# KiCad board SimulTypeUltraFullMag.kicad_pcb (continued)
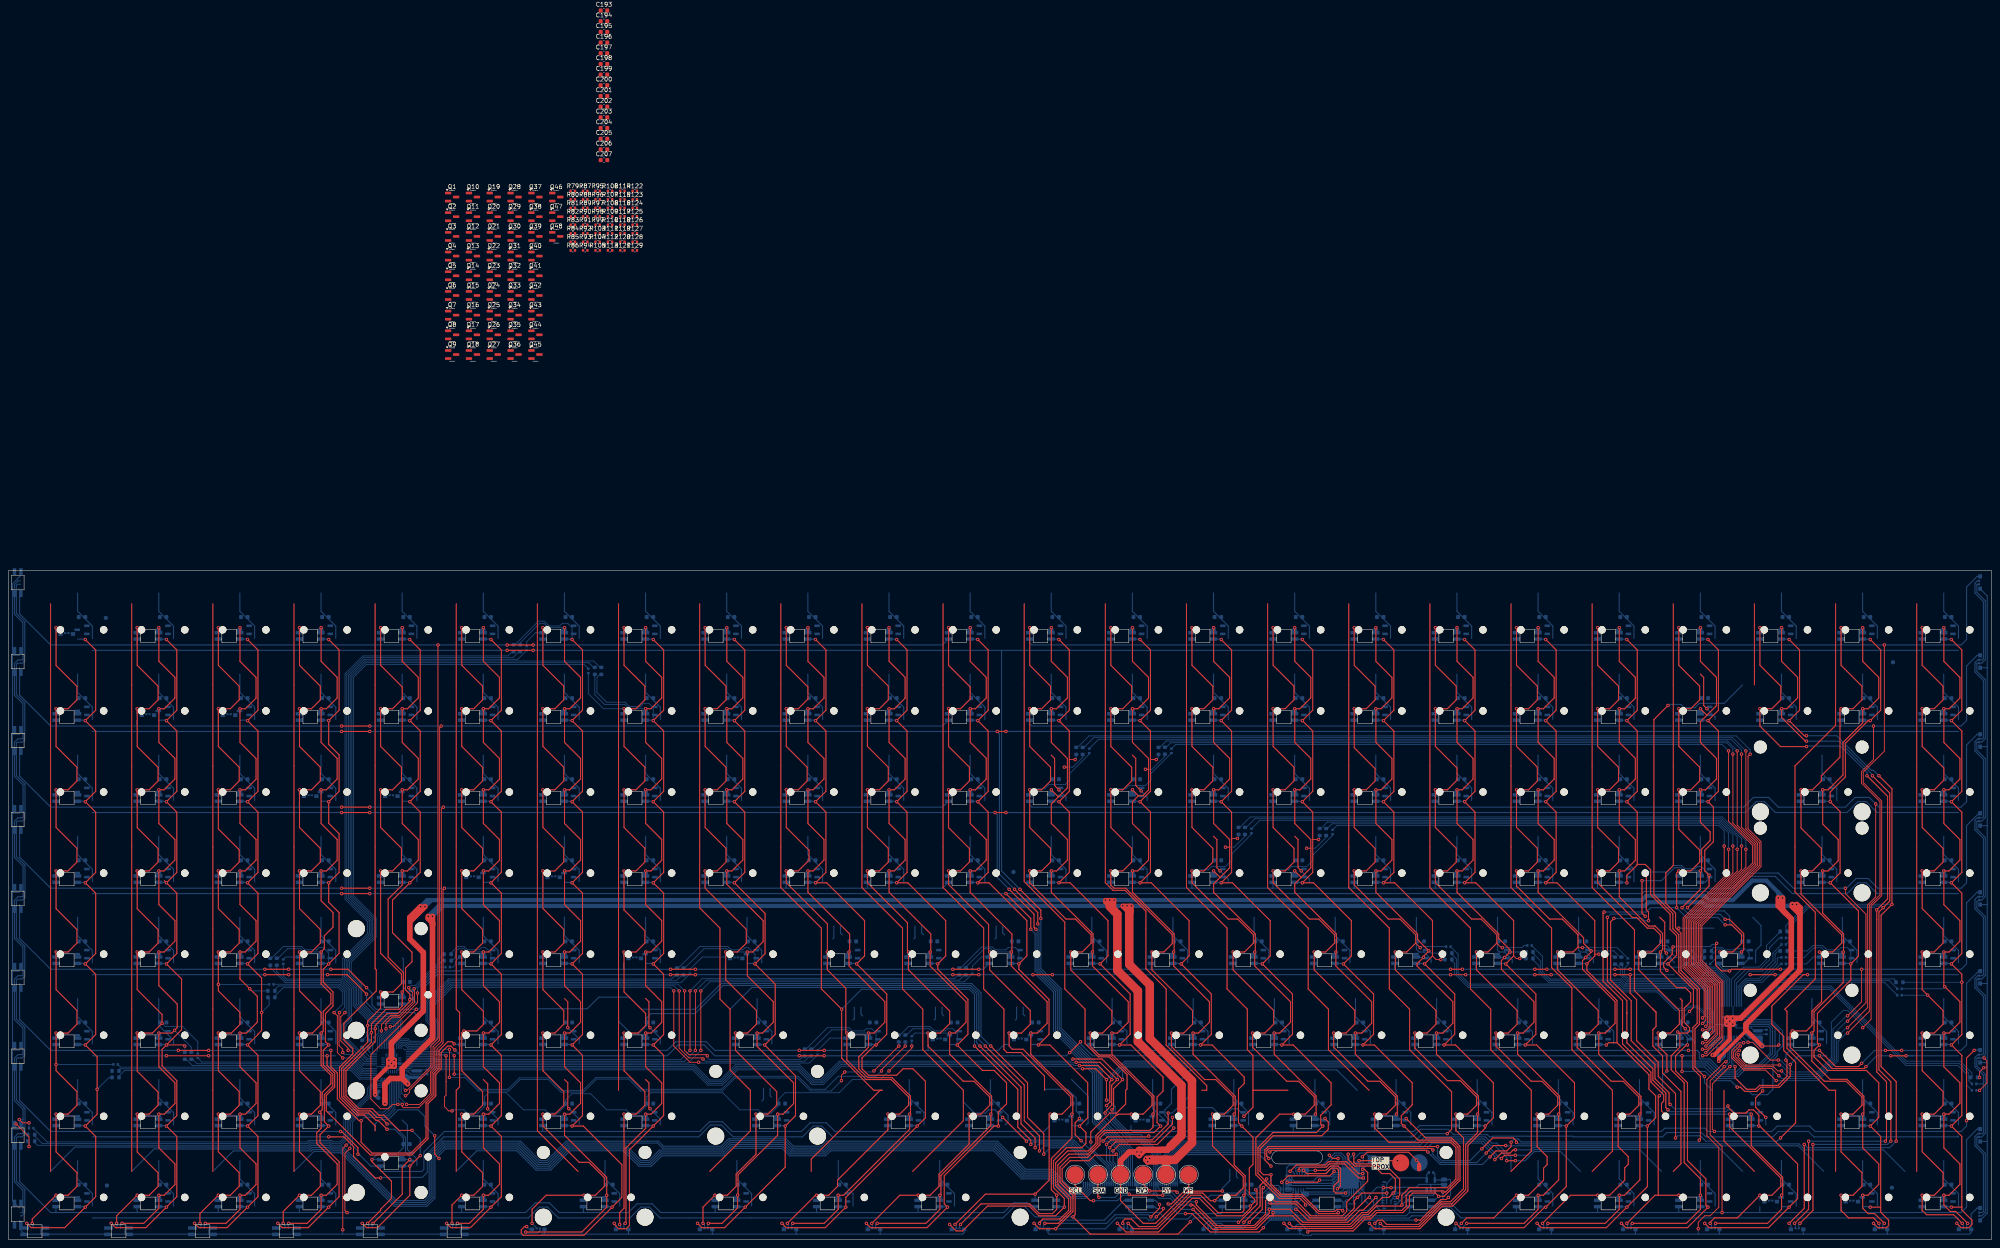
[diagram p0: board, top side]
## Routing (per net, layer and track width the routed paths; a pad name or vN(x,y) marks a point on that pad's centre or on a via; arc(x,y) is an arc through that point) (continued)
SW3_L: length 326
  Top w0.2: v1(93.46,31.73) 96.51,31.73 99.05,34.27 99.05,39.35 100.09,40.4 100.09,44.97 101.63,46.5 101.63,101.11 v1(102.1,101.58)
  Top w0.25: v1(78.22,101.58) v1(84.82,101.58)
  Bottom w0.2: v1(93.46,31.73) 91.9,33.29 91.9,37.93
  Bottom w0.25: v1(84.82,101.58) 87.36,101.58 ; 87.36,101.58 v1(102.1,101.58) 106.41,101.58 ; 87.36,101.58 87.33,101.61 87.33,102.96 ; 30.18,102.96 30.18,101.61 30.21,101.58 ; 125.43,102.96 125.43,101.61 125.46,101.58 ; 49.26,101.58 49.23,101.61 49.23,102.96 ; 49.26,101.58 68.31,101.58 ; 49.26,101.58 30.21,101.58 ; 68.31,101.58 68.28,101.61 68.28,102.96 ; 68.31,101.58 v1(78.22,101.58) ; 125.46,101.58 144.51,101.58 ; 125.46,101.58 106.41,101.58 ; 144.51,101.58 163.56,101.58 ; 144.51,101.58 144.48,101.61 LED56.4 ; LED60.4 219.3,101.58 201.66,101.58 ; 30.21,101.58 11.16,101.58 ; 163.56,101.58 182.61,101.58 ; 163.56,101.58 163.53,101.61 LED57.4 ; 182.61,101.58 182.58,101.61 LED58.4 ; 182.61,101.58 201.66,101.58 ; 201.66,101.58 201.63,101.61 LED59.4 ; 11.16,101.58 9.89,101.58 2.6,108.87 2.6,115.78 ; 11.16,101.58 11.13,101.61 11.13,102.96 ; 106.41,101.58 106.38,101.61 106.38,102.96
SW3_R: length 355.1
  Top w0.2: v1(406.64,45.45) 406.41,45.45 405.03,44.07 405.03,42.8 407.64,40.19 413.93,40.19 v1(415.66,38.46) ; v1(431.79,49.76) 436.51,54.48 436.51,78.61 438.39,80.5 v1(438.39,102.34)
  Bottom w0.2: 406.1,47.84 406.1,45.99 v1(406.64,45.45) ; v1(415.66,38.46) 416.29,37.83 424.85,37.83 429.18,42.16 429.18,47.41 431.53,49.76 v1(431.79,49.76)
  Bottom w0.25: 449.31,101.58 458.46,101.58 459.73,102.85 459.73,116.19 462.23,118.69 462.92,118.69 ; 449.31,101.58 449.28,101.61 LED71.4 ; 449.31,101.58 439.15,101.58 v1(438.39,102.34) 436.87,103.87 433.57,103.87 431.28,101.58 420.61,101.58 ; LED70.4 420.71,101.68 420.61,101.58 ; 392.16,101.58 407.4,101.58 409.69,103.87 413.25,103.87 415.53,101.58 420.61,101.58 ; 392.16,101.58 392.13,101.61 392.13,102.96 ; 392.16,101.58 373.11,101.58 ; 277.86,101.58 296.91,101.58 ; 277.86,101.58 258.81,101.58 ; 277.86,101.58 277.83,101.61 277.83,102.96 ; 296.91,101.58 315.96,101.58 ; 296.91,101.58 296.88,101.61 296.88,102.96 ; 239.73,102.96 239.73,102.12 240.27,101.58 258.81,101.58 ; LED67.4 354.03,101.61 354.06,101.58 ; 258.81,101.58 258.78,101.61 258.78,102.96 ; LED68.4 373.08,101.61 373.11,101.58 ; 315.96,101.58 315.93,101.61 315.93,102.96 ; 315.96,101.58 335.01,101.58 ; LED66.4 334.98,101.61 335.01,101.58 ; 354.06,101.58 373.11,101.58 ; 354.06,101.58 335.01,101.58
SW4_L: length 309.5
  Top w0.2: v1(92.44,31.73) 92.44,31.22 92.7,30.97 96.31,30.97 99.45,34.11 99.45,39.19 100.57,40.31 100.57,44.69 102.03,46.14 102.03,82.21 v1(102.35,82.53)
  Top w0.25: v1(78.22,82.53) v1(84.82,82.53)
  Bottom w0.2: v1(92.44,31.73) 91.5,32.67 91.5,37.93
  Bottom w0.25: 125.43,83.91 125.43,82.56 125.46,82.53 ; LED79.4 144.48,82.56 144.51,82.53 ; LED82.4 201.63,82.56 201.66,82.53 ; LED83.4 219.3,82.53 201.66,82.53 ; 49.26,82.53 49.23,82.56 49.23,83.91 ; 49.26,82.53 30.21,82.53 ; 49.26,82.53 68.31,82.53 ; 87.33,83.91 87.33,82.56 87.36,82.53 ; 106.41,82.53 v1(102.35,82.53) 87.36,82.53 ; 106.41,82.53 125.46,82.53 ; 106.41,82.53 106.38,82.56 106.38,83.91 ; 125.46,82.53 144.51,82.53 ; 182.61,82.53 182.58,82.56 LED81.4 ; 182.61,82.53 201.66,82.53 ; 182.61,82.53 163.56,82.53 ; 30.21,82.53 11.16,82.53 ; 30.21,82.53 30.18,82.56 30.18,83.91 ; 68.28,83.91 68.28,82.56 68.31,82.53 ; v1(84.82,82.53) 87.36,82.53 ; 144.51,82.53 163.56,82.53 ; 163.56,82.53 163.53,82.56 LED80.4 ; 11.16,82.53 9.89,82.53 2.6,89.82 2.6,97.23 ; 11.16,82.53 11.13,82.56 11.13,83.91 ; 68.31,82.53 v1(78.22,82.53)
SW4_R: length 336.2
  Top w0.2: v1(431.79,51.29) 436.11,55.61 436.11,76.43 431.28,81.26 v1(431.28,82.53) ; v1(416.29,39.6) 415.4,39.6 414.42,40.59 407.8,40.59 405.43,42.96 405.43,43.7 406.16,44.43 v1(406.39,44.43)
  Bottom w0.2: 405.7,47.84 405.7,45.12 v1(406.39,44.43) ; v1(416.29,39.6) 417.56,38.33 424.79,38.33 428.78,42.32 428.78,48.53 431.53,51.29 v1(431.79,51.29)
  Bottom w0.25: 258.81,82.53 258.78,82.56 258.78,83.91 ; 258.81,82.53 240.27,82.53 239.73,83.07 239.73,83.91 ; 258.81,82.53 277.86,82.53 ; 277.83,83.91 277.83,82.56 277.86,82.53 ; 392.13,83.91 392.13,82.56 392.16,82.53 ; 373.11,82.53 392.16,82.53 ; 373.11,82.53 354.06,82.53 ; 373.11,82.53 373.08,82.56 LED91.4 ; 392.16,82.53 404.86,82.53 408.42,86.09 415.53,86.09 419.09,82.53 420.61,82.53 ; 420.61,82.53 v1(431.28,82.53) 431.53,82.53 433.82,84.82 436.61,84.82 438.9,82.53 449.31,82.53 ; 420.61,82.53 420.71,82.63 LED93.4 ; 462.92,100.14 462.63,100.14 459.73,97.24 459.73,83.8 458.46,82.53 449.31,82.53 ; 354.03,83.91 354.03,82.56 354.06,82.53 ; 354.06,82.53 335.01,82.53 ; 277.86,82.53 296.91,82.53 ; 296.91,82.53 296.88,82.56 296.88,83.91 ; 296.91,82.53 315.96,82.53 ; 335.01,82.53 315.96,82.53 ; 335.01,82.53 334.98,82.56 334.98,83.91 ; 315.96,82.53 315.93,82.56 315.93,83.91 ; 449.31,82.53 449.28,82.56 LED94.4
SW5_L: length 306
  Top w0.2: v1(95.75,54.08) 85.08,43.41 85.08,33 87.36,30.71 89.14,30.71 90.16,31.73 v1(91.43,31.73)
  Top w0.25: v1(60.19,63.48) v1(65.77,63.48) ; v1(75.68,63.48) 79.74,63.48 v1(84.06,59.16) ; v1(221.73,63.48) v1(227.83,63.48) ; v1(155.44,63.48) v1(161.28,63.48)
  Bottom w0.2: v1(91.43,31.73) 91.1,32.05 91.1,37.93
  Bottom w0.25: 211.06,63.48 v1(221.73,63.48) ; 211.06,63.48 211.16,63.58 LED105.4 ; 211.06,63.48 192.01,63.48 ; 49.26,63.48 v1(60.19,63.48) ; 49.26,63.48 30.21,63.48 ; 49.26,63.48 49.23,63.51 49.23,64.86 ; 30.21,63.48 30.18,63.51 30.18,64.86 ; 30.21,63.48 11.16,63.48 ; 125.46,63.48 125.43,63.51 125.43,64.86 ; 125.46,63.48 106.41,63.48 ; 125.46,63.48 144.51,63.48 ; 68.31,63.48 v1(75.68,63.48) ; 68.31,63.48 68.28,63.51 68.28,64.86 ; 68.31,63.48 v1(65.77,63.48) ; 168.3,64.86 168.3,63.57 168.39,63.48 ; 87.36,54.08 v1(95.75,54.08) 96.25,54.08 96.89,54.72 96.89,59.29 100.7,63.1 105.97,63.1 106.36,63.48 106.41,63.48 ; 87.36,54.08 86.35,54.08 85.33,55.1 85.33,57.89 v1(84.06,59.16) ; 87.36,54.08 87.33,54.11 87.33,55.34 ; 106.41,63.48 106.38,63.51 106.38,64.86 ; 144.51,63.48 144.48,63.51 144.48,64.86 ; 144.51,63.48 v1(155.44,63.48) ; v1(161.28,63.48) 168.39,63.48 ; 168.39,63.48 192.01,63.48 ; 11.13,64.86 11.13,63.51 11.16,63.48 ; 11.16,63.48 9.89,63.48 2.6,70.77 2.6,78.68 ; v1(227.83,63.48) 228.83,63.48 LED106.4 ; 192.01,63.48 192.11,63.58 LED104.4
SW5_R: length 314
  Top w0.2: v1(431.79,52.56) 435.09,55.86 v1(435.09,63.48) ; v1(406.13,43.41) 406.13,42.83 407.97,40.99 v1(415.79,40.99)
  Top w0.25: v1(377.18,63.48) v1(380.73,63.48) ; v1(390.83,68.75) 390.64,68.56 390.64,67.04 388.61,65 388.61,63.99 v1(389.37,63.23) ; v1(401.05,69.58) 400.8,69.32 400.8,64.5 402.19,63.1 v1(404.1,63.1) 404.48,63.48 v1(416.04,63.48) ; v1(358.38,63.48) v1(361.18,63.48) ; v1(338.57,63.48) v1(341.36,63.48)
  Bottom w0.2: 405.3,47.84 405.3,44.36 406.13,43.53 v1(406.13,43.41) ; v1(415.79,40.99) 416.18,40.99 418.33,38.84 424.73,38.84 428.38,42.49 428.38,49.4 431.53,52.56 v1(431.79,52.56)
  Bottom w0.25: 344.41,63.48 v1(358.38,63.48) ; 344.41,63.48 v1(341.36,63.48) ; 344.41,63.48 344.51,63.58 344.51,64.86 ; LED117.4 449.28,63.51 449.31,63.48 ; LED116.4 425.47,63.52 425.44,63.48 425.95,63.48 ; 363.56,64.86 363.56,63.58 363.46,63.48 ; 363.46,63.48 v1(361.18,63.48) ; 363.46,63.48 v1(377.18,63.48) ; 306.31,63.48 306.41,63.58 306.41,64.86 ; 306.31,63.48 325.36,63.48 ; 306.31,63.48 287.26,63.48 ; 325.36,63.48 v1(338.57,63.48) ; 325.36,63.48 325.46,63.58 325.46,64.86 ; 268.21,63.48 249.67,63.48 249.26,63.89 249.26,64.86 ; 268.21,63.48 287.26,63.48 ; 268.21,63.48 268.31,63.58 268.31,64.86 ; 287.26,63.48 287.36,63.58 287.36,64.86 ; v1(416.04,63.48) 425.95,63.48 ; 425.95,63.48 v1(435.09,63.48) 449.31,63.48 ; 382.61,64.86 382.61,63.58 382.51,63.48 ; v1(404.1,63.1) 403.72,63.48 402.58,63.48 401.66,64.4 401.66,64.86 ; v1(390.83,68.75) 390.89,68.81 399.53,68.81 400.04,69.32 400.8,69.32 v1(401.05,69.58) ; v1(389.37,63.23) 389.12,63.48 382.51,63.48 ; 462.92,81.59 462.23,81.59 459.73,79.09 459.73,64.75 458.46,63.48 449.31,63.48 ; 382.51,63.48 v1(380.73,63.48)
SW6_L: length 316.8
  Top w0.25: v1(185.66,44.43) v1(191.5,44.43) ; v1(39.87,44.43) v1(46.98,44.43) ; v1(75.68,44.43) 75.68,40.62 77.2,39.1 77.2,33 82.28,27.92 v1(82.79,27.92) 82.79,22.84 85.33,20.3 94.48,20.3 98.03,23.86 98.03,32.09 99.87,33.93 99.87,39.01 101.08,40.22 101.08,44.43 103.11,46.46 104.13,46.46 v1(104.64,45.95)
  Bottom w0.2: v1(82.79,27.92) 83.52,28.64 88.9,28.64 90.7,30.44 90.7,37.93
  Bottom w0.25: 196.84,44.43 v1(191.5,44.43) ; 196.84,44.43 215.89,44.43 ; 196.84,44.43 196.87,44.47 196.87,45.81 ; 2.6,60.13 2.6,51.72 9.89,44.43 11.16,44.43 ; 215.89,44.43 232.4,44.43 233.78,45.81 234.97,45.81 ; 215.89,44.43 215.92,44.47 215.92,45.81 ; 30.21,44.43 v1(39.87,44.43) 39.61,44.43 ; 30.21,44.43 11.16,44.43 ; 30.21,44.43 30.18,44.46 30.18,45.81 ; 49.26,44.43 v1(46.98,44.43) ; 49.26,44.43 68.31,44.43 ; 49.26,44.43 49.23,44.46 49.23,45.81 ; 125.46,44.43 144.51,44.43 ; 125.46,44.43 125.43,44.46 125.43,45.81 ; 125.46,44.43 106.41,44.43 106.38,44.46 106.38,45.81 104.78,45.81 v1(104.64,45.95) ; 144.51,44.43 154.67,44.43 156.71,46.46 163.82,46.46 165.85,44.43 170.68,44.43 ; 144.51,44.43 144.48,44.46 144.48,45.81 ; 11.16,44.43 11.13,44.46 11.13,45.81 ; 68.31,44.43 68.28,44.46 68.28,45.81 ; 68.31,44.43 v1(75.68,44.43) ; 170.68,45.81 170.68,44.43 170.68,44.43 ; 170.68,44.43 v1(185.66,44.43)
SW6_R: length 263.3
  Top w0.25: v1(405.37,40.62) 405.37,37.96 408.04,35.29 410.2,35.29 411.12,36.21 415.44,36.21 417.56,38.33 417.56,41.89 v1(417.31,42.14) ; v1(435.09,41.38) 434.33,40.62 428.99,40.62 v1(425.18,44.43) ; v1(440.68,44.43) v1(444.49,44.43)
  Bottom w0.2: v1(405.37,40.62) 404.9,41.09 404.9,47.84
  Bottom w0.25: 462.92,63.04 462.59,63.04 459.73,60.18 459.73,45.7 458.46,44.43 449.31,44.43 ; 349.27,45.81 349.27,44.47 349.24,44.43 ; 273.04,44.43 292.09,44.43 ; 273.04,44.43 273.07,44.47 273.07,45.81 ; 273.04,44.43 254.74,44.43 254.02,45.15 254.02,45.81 ; 292.09,44.43 292.12,44.47 292.12,45.81 ; 292.09,44.43 311.14,44.43 ; 418.33,44.43 v1(425.18,44.43) ; 418.33,44.43 417.31,43.41 v1(417.31,42.14) ; 418.33,44.43 418.33,44.43 418.33,45.81 ; v1(435.09,41.38) 438.14,44.43 v1(440.68,44.43) ; 387.34,44.43 v1(394.45,44.43) 396.48,44.43 396.99,43.92 396.99,42.65 397.24,42.4 399.47,42.4 402.01,39.86 405.12,39.86 405.37,40.11 v1(405.37,40.62) ; 387.34,44.43 368.29,44.43 ; 387.34,44.43 387.37,44.47 387.37,45.81 ; 349.24,44.43 330.19,44.43 ; 349.24,44.43 368.29,44.43 ; 311.14,44.43 330.19,44.43 ; 311.14,44.43 311.17,44.47 311.17,45.81 ; 330.19,44.43 330.22,44.47 330.22,45.81 ; 449.31,44.43 449.28,44.46 449.28,45.81 ; 449.31,44.43 v1(444.49,44.43) ; 368.29,44.43 368.32,44.47 368.32,45.81
SW7_L: length 310.2
  Top w0.25: v1(77.97,25.38) 78.22,25.38 82.03,21.57 v1(82.03,20.05)
  Bottom w0.2: 90.3,37.93 90.3,30.61 88.74,29.04 82.19,29.04 80.76,27.61 80.76,22.08 82.03,20.81 v1(82.03,20.05)
  Bottom w0.25: 206.4,26.76 206.4,25.47 206.49,25.38 ; 76.95,25.38 77.2,25.38 ; 76.95,25.38 68.31,25.38 ; 76.95,25.38 v1(77.97,25.38) ; 30.21,25.38 49.26,25.38 ; 30.21,25.38 30.18,25.41 30.18,26.76 ; 30.21,25.38 11.16,25.38 ; 49.26,25.38 68.31,25.38 ; 49.26,25.38 49.23,25.41 49.23,26.76 ; 68.31,25.38 68.28,25.41 68.28,26.76 ; 175.5,25.38 186.17,25.38 188.2,27.41 192.01,27.41 194.04,25.38 206.49,25.38 ; 175.5,25.38 175.44,25.44 175.44,26.76 ; 175.5,25.38 169.91,25.38 167.63,27.67 164.58,27.67 162.29,25.38 144.51,25.38 ; 106.41,25.38 125.46,25.38 ; 106.41,25.38 102.35,25.38 97.52,20.55 97.52,16.49 97.02,15.98 87.36,15.98 87.33,16.01 87.33,17.24 85.09,17.24 82.54,19.79 82.28,19.79 v1(82.03,20.05) ; 106.41,25.38 106.38,25.41 106.38,26.76 ; 125.46,25.38 125.43,25.41 125.43,26.76 ; 125.46,25.38 144.51,25.38 ; 225.45,26.76 225.45,25.47 225.54,25.38 ; 206.49,25.38 225.54,25.38 ; 144.51,25.38 144.48,25.41 144.48,26.76 ; 11.13,26.76 11.13,25.41 11.16,25.38 ; 225.54,25.38 243.12,25.38 244.5,26.76 ; 11.16,25.38 9.89,25.38 2.6,32.67 2.6,41.59
SW7_R: length 258
  Top w0.2: v1(400.55,25.38) 400.04,25.89 400.04,36.56 404.1,40.62 v1(404.17,40.62)
  Top w0.25: v1(459.73,27.92) 459.73,42.65 v1(461.51,44.43)
  Bottom w0.2: 404.5,47.84 404.5,40.96 v1(404.17,40.62)
  Bottom w0.25: 449.28,26.76 449.28,25.41 449.31,25.38 ; 404.1,25.38 v1(400.55,25.38) 399.02,25.38 398.26,26.14 388.86,26.14 388.1,25.38 377.94,25.38 ; 404.1,25.38 404.04,25.44 404.04,26.76 ; 404.1,25.38 414.01,25.38 415.28,26.65 422.9,26.65 424.17,25.38 430.26,25.38 ; 377.94,25.38 377.85,25.47 377.85,26.76 ; 377.94,25.38 358.89,25.38 ; v1(461.51,44.43) 461.57,44.49 462.92,44.49 462.23,44.49 ; 358.89,25.38 358.8,25.47 358.8,26.76 ; 358.89,25.38 339.84,25.38 339.75,25.47 339.75,26.76 331.31,26.76 329.93,25.38 320.79,25.38 ; 301.74,25.38 301.65,25.47 301.65,26.76 ; 301.74,25.38 320.79,25.38 ; 301.74,25.38 282.69,25.38 ; 430.26,25.38 449.31,25.38 ; 430.26,25.38 430.23,25.41 430.23,26.76 ; 449.31,25.38 458.46,25.38 459.73,26.65 v1(459.73,27.92) ; 263.55,26.76 263.55,25.73 263.89,25.38 282.69,25.38 ; 282.6,26.76 282.6,25.47 282.69,25.38 ; 320.79,25.38 320.7,25.47 320.7,26.76
SW8_L: length 308.4
  Top w0.2: v1(79.49,6.33) 78.98,6.84 78.98,20.24 v1(80.12,21.38)
  Bottom w0.2: v1(80.12,21.38) 80.33,21.59 80.33,27.74 82.03,29.44 88.38,29.44 89.9,30.97 89.9,37.93
  Bottom w0.25: 165.92,7.71 165.92,6.4 165.85,6.33 ; 165.85,6.33 189.73,6.33 ; 165.85,6.33 153.15,6.33 151.12,8.36 147.56,8.36 145.53,6.33 135.12,6.33 ; 106.41,6.33 121.4,6.33 123.69,8.62 126.99,8.62 129.27,6.33 135.12,6.33 ; 106.41,6.33 v1(79.49,6.33) 68.31,6.33 ; 106.41,6.33 106.38,6.36 106.38,7.71 ; 189.73,6.33 189.73,6.33 189.73,7.71 ; 189.73,6.33 213.6,6.33 ; 68.31,6.33 68.28,6.36 68.28,7.71 ; 68.31,6.33 49.26,6.33 ; 135.12,6.33 134.96,6.49 134.96,7.71 ; 49.23,7.71 49.23,6.36 49.26,6.33 ; 213.6,6.33 213.54,6.39 213.54,7.71 ; 213.6,6.33 233.67,6.33 235.95,8.62 239.26,8.62 240.16,7.71 LED177.4 ; 49.26,6.33 30.21,6.33 ; 11.16,6.33 11.13,6.36 11.13,7.71 ; 11.16,6.33 9.89,6.33 2.6,13.62 2.6,23.04 ; 11.16,6.33 30.21,6.33 ; 30.18,7.71 30.18,6.36 30.21,6.33
SW8_R: length 280.1
  Top w0.2: v1(402.32,6.33) 402.32,21.82 399.53,24.62 399.53,37.32 v1(402.83,40.62)
  Bottom w0.2: 404.1,47.84 404.1,41.64 403.09,40.62 v1(402.83,40.62)
  Bottom w0.25: 306.98,7.71 306.98,5.66 307.07,5.57 ; 392.16,6.33 v1(402.32,6.33) 411.21,6.33 ; 392.16,6.33 373.11,6.33 ; 392.16,6.33 392.13,6.36 392.13,7.71 ; 284.98,6.33 294.88,6.33 295.64,5.57 307.07,5.57 ; 284.98,6.33 284.98,6.33 284.98,7.71 ; 284.98,6.33 284.72,6.08 278.12,6.08 276.85,4.81 271.77,4.81 270.24,6.33 263.39,6.33 262.98,6.74 262.98,7.71 ; 430.26,6.33 430.23,6.36 430.23,7.71 ; 430.26,6.33 449.31,6.33 ; 430.26,6.33 411.21,6.33 ; 354.06,6.33 373.11,6.33 ; 354.06,6.33 354.03,6.36 354.03,7.71 ; 354.06,6.33 340.86,6.33 338.82,8.36 336.33,8.36 334.3,6.33 328.92,6.33 ; 462.92,25.94 462.23,25.94 459.73,23.44 459.73,7.6 458.46,6.33 449.31,6.33 ; 449.31,6.33 449.28,6.36 449.28,7.71 ; 373.11,6.33 373.08,6.36 373.08,7.71 ; 307.07,5.57 328.16,5.57 328.92,6.33 ; 328.92,6.33 328.98,6.39 328.98,7.71 ; 411.21,6.33 411.18,6.36 411.18,7.71
SW9_L: length 283
  Top w0.2: v1(79.26,22.15) 78.47,21.36 v1(78.47,2.27)
  Bottom w0.2: v1(79.26,22.15) 79.93,22.82 79.93,27.93 81.95,29.95 88.13,29.95 89.5,31.33 89.5,37.93 ; v1(78.47,2.27) 78.47,1.25
  Bottom w0.25: LED199.4 184.95,1.3 184.9,1.25 ; 106.16,1.25 86.35,1.25 ; 106.16,1.25 120.38,1.25 120.64,1 124.96,1 125.21,1.25 125.72,1.25 ; 106.16,1.25 106.14,1.28 106.14,2.38 ; 86.35,1.25 66.79,1.25 ; 86.35,1.25 86.43,1.33 86.43,2.38 ; 184.9,1.25 165.34,1.25 ; 184.9,1.25 204.71,1.25 ; 165.34,1.25 165.25,1.34 LED198.4 ; 165.34,1.25 145.53,1.25 ; 125.72,1.25 125.84,1.37 125.84,2.38 ; 125.72,1.25 145.53,1.25 ; 2.6,4.49 2.6,2.45 3.8,1.25 7.61,1.25 ; 7.61,1.25 7.61,1.26 7.61,2.38 ; 7.61,1.25 27.42,1.25 ; 46.98,1.25 47.02,1.3 47.02,2.38 ; 46.98,1.25 66.79,1.25 ; 46.98,1.25 27.42,1.25 ; 27.42,1.25 27.32,1.35 27.32,2.38 ; 204.71,1.25 224.02,1.25 224.36,1.6 LED201.4 ; 204.71,1.25 204.66,1.31 LED200.4 ; 145.53,1.25 145.54,1.27 LED197.4 ; 66.79,1.25 66.73,1.31 66.73,2.38
SW9_R: length 289.4
  Top w0.2: v1(396.74,2.52) 396.74,4.04 398.26,5.57 399.53,5.57 401.56,7.6 401.56,21.57 398.77,24.36 398.77,37.57 402.95,41.75 v1(403.23,41.75)
  Bottom w0.2: v1(396.74,2.52) 396.74,1.25 ; v1(403.23,41.75) 403.7,42.23 403.7,47.84
  Bottom w0.25: 283.45,1.25 303.26,1.25 ; 283.45,1.25 263.89,1.25 ; 283.45,1.25 283.47,1.27 283.47,2.38 ; 303.26,1.25 303.77,1.25 304.03,1 305.8,1 306.06,1.25 322.82,1.25 ; 303.26,1.25 303.18,1.34 303.18,2.38 ; 382,1.25 381.99,1.26 381.99,2.38 ; 382,1.25 362.19,1.25 ; 382,1.25 401.82,1.25 ; 401.82,1.25 401.7,1.37 LED210.4 ; 401.82,1.25 421.37,1.25 ; LED212.4 441.11,1.33 441.19,1.25 ; 421.37,1.25 421.4,1.28 LED211.4 ; 421.37,1.25 441.19,1.25 ; 263.89,1.25 244.34,1.25 244.06,1.52 244.06,2.38 ; 263.89,1.25 263.77,1.38 263.77,2.38 ; 322.82,1.25 322.88,1.31 322.88,2.38 ; 322.82,1.25 342.63,1.25 ; 362.19,1.25 342.63,1.25 ; 362.19,1.25 362.29,1.35 362.29,2.38 ; 342.63,1.25 342.59,1.3 342.59,2.38 ; LED214.4 462.23,7.39 460.81,5.98 LED213.4 460.81,1.64 460.42,1.25 441.19,1.25
Net-(Q1-D): length 96.9
  Bottom w0.25: 19.68,103.11 19.68,106.02 16.22,109.48 16.22,113.79 ; 16.22,151.89 16.22,147.58 19.68,144.12 19.68,141.21 ; 16.22,18.54 16.22,14.23 19.68,10.77 19.68,7.86 ; 16.22,75.69 16.22,71.38 19.68,67.92 19.68,65.01 ; 19.68,45.96 19.68,48.87 16.22,52.33 16.22,56.64 ; 16.22,132.84 16.22,128.53 19.68,125.07 19.68,122.16 ; 16.22,94.74 16.22,90.43 19.68,86.97 19.68,84.06 ; 19.68,26.91 19.68,29.82 16.22,33.28 16.22,37.59
Net-(Q1-G): length 94.2
  Bottom w0.2: 88.7,37.93 88.7,36.94 87.52,35.76 85.66,35.76 85.12,35.21 85.12,33.69 79.53,28.1 79.53,23.57 78.1,22.14 75.84,22.14 75.5,22.48 70.85,22.48 70.51,22.13 6.79,22.13 5.83,23.09
Net-(Q2-D): length 96.9
  Bottom w0.25: 35.27,94.74 35.27,90.43 38.73,86.97 38.73,84.06 ; 35.27,151.89 35.27,147.58 38.73,144.12 38.73,141.21 ; 38.73,26.91 38.73,29.82 35.27,33.28 35.27,37.59 ; 38.73,45.96 38.73,46.83 35.27,50.29 35.27,56.64 ; 35.27,132.84 35.27,128.53 38.73,125.07 38.73,122.16 ; 38.73,7.86 38.73,10.77 35.27,14.23 35.27,18.54 ; 38.73,65.01 38.73,67.91 35.27,71.37 35.27,75.69 ; 35.27,113.79 35.27,109.47 38.73,106.01 38.73,103.11
Net-(Q2-G): length 64.1
  Bottom w0.2: 87.5,37.93 87.5,37.44 87.3,37.23 86.91,37.23 86.46,37.68 82.43,37.68 80.42,39.69 27.25,39.69 25.64,38.08
Net-(Q3-D): length 96.9
  Bottom w0.25: 57.78,122.16 57.78,125.07 54.32,128.53 54.32,132.84 ; 54.32,37.59 54.32,33.28 57.78,29.82 57.78,26.91 ; 54.32,56.64 54.32,52.33 57.78,48.87 57.78,45.96 ; 54.32,18.54 54.32,14.23 57.78,10.77 57.78,7.86 ; 54.32,75.69 54.32,71.38 57.78,67.92 57.78,65.01 ; 57.78,84.06 57.78,86.97 54.32,90.43 54.32,94.74 ; 54.32,151.89 54.32,147.58 57.78,144.12 57.78,141.21 ; 54.32,113.79 54.32,109.48 57.78,106.02 57.78,103.11
Net-(Q4-D): length 96.9
  Bottom w0.25: 76.83,122.16 76.83,125.07 73.37,128.53 73.37,132.84 ; 76.83,45.96 76.83,48.87 73.37,52.33 73.37,56.64 ; 76.83,7.86 76.83,10.77 73.37,14.23 73.37,18.54 ; 73.37,94.74 73.37,90.43 76.83,86.97 76.83,84.06 ; 76.83,26.91 76.83,29.82 73.37,33.28 73.37,37.59 ; 73.37,75.69 73.37,71.38 76.83,67.92 76.83,65.01 ; 76.83,141.21 76.83,144.12 73.37,147.58 73.37,151.89 ; 76.83,103.11 76.83,106.02 73.37,109.48 73.37,113.79
Net-(Q5-D): length 60.6
  Bottom w0.25: 92.42,113.79 92.42,109.48 95.88,106.02 95.88,103.11 ; 95.88,84.06 95.88,86.97 92.42,90.43 92.42,94.74 ; 95.88,141.21 95.88,144.12 92.42,147.58 92.42,151.89 ; 92.42,28.07 93.66,26.84 93.66,21.12 95.88,18.89 95.88,17.39 ; 92.42,132.84 92.42,128.53 95.88,125.07 95.88,122.16
Net-(Q6-D): length 96.9
  Top w0.25: 111.47,37.59 112.51,36.56 v1(112.51,30.71)
  Bottom w0.25: 111.47,151.89 111.47,147.57 114.93,144.11 114.93,141.21 ; 111.47,18.54 111.47,14.23 114.93,10.77 114.93,7.86 ; 111.47,56.64 111.47,52.33 114.93,48.87 114.93,45.96 ; 111.47,75.69 111.47,71.38 114.93,67.92 114.93,65.01 ; 114.93,84.06 114.93,86.97 111.47,90.43 111.47,94.74 ; 111.47,132.84 111.47,128.53 114.93,125.07 114.93,122.16 ; v1(112.51,30.71) 114.93,28.29 114.93,26.91 ; 111.47,113.79 111.47,109.48 114.93,106.02 114.93,103.11
Net-(Q7-D): length 96.9
  Top w0.2: 131.31,55.86 130.52,56.64
  Top w0.25: 130.52,37.59 131.31,36.81 131.31,30.97 v1(131.56,30.71) ; v1(131.31,49.76) 131.31,55.86
  Bottom w0.25: v1(131.31,49.76) 133.98,47.09 133.98,45.96 ; 130.52,94.74 130.52,90.42 133.98,86.96 133.98,84.06 ; v1(131.56,30.71) 133.98,28.29 133.98,26.91 ; 130.52,151.89 130.52,147.58 133.98,144.12 133.98,141.21 ; 133.98,122.16 133.98,125.07 130.52,128.53 130.52,132.84 ; 143.51,7.86 143.51,10.77 140.05,14.23 140.05,18.54 ; 130.52,75.69 130.52,71.38 133.98,67.92 133.98,65.01 ; 133.98,103.11 133.98,106.02 130.52,109.48 130.52,113.79
Net-(Q8-D): length 84.8
  Top w0.25: 149.57,37.59 150.36,36.81 150.36,30.97 v1(150.61,30.71) ; 149.57,56.64 150.36,55.86 150.36,50.02 v1(150.61,49.76)
  Bottom w0.25: 153.03,141.21 153.03,144.12 149.57,147.58 149.57,151.89 ; v1(150.61,49.76) 153.03,47.34 153.03,45.96 ; 153.03,84.06 153.03,86.97 149.57,90.43 149.57,94.74 ; 153.03,65.01 153.03,67.92 149.57,71.38 149.57,75.69 ; 153.03,103.11 153.03,106.02 149.57,109.48 149.57,113.79 ; 153.03,122.16 153.03,125.07 149.57,128.53 149.57,132.84 ; v1(150.61,30.71) 153.03,28.29 153.03,26.91
Net-(Q9-D): length 84.8
  Bottom w0.25: 172.08,103.11 172.08,106.02 168.62,109.48 168.62,113.79 ; 172.08,84.06 172.08,86.97 168.62,90.43 168.62,94.74 ; 172.08,141.21 172.08,144.12 168.62,147.58 168.62,151.89 ; 168.62,132.84 168.62,128.53 172.08,125.07 172.08,122.16 ; 175.77,56.64 175.77,52.33 179.23,48.87 179.23,45.96 ; 176.85,65.01 176.85,67.92 173.39,71.38 173.39,75.69 ; 171.01,18.54 171.01,14.23 174.47,10.77 174.47,7.86
Net-(Q10-D): length 72.7
  Bottom w0.25: 191.13,103.11 191.13,106.02 187.67,109.48 187.67,113.79 ; 187.67,94.74 187.67,90.43 191.13,86.97 191.13,84.06 ; 191.13,122.16 191.13,125.07 187.67,128.53 187.67,132.84 ; 194.82,18.54 194.82,14.23 198.28,10.77 198.28,7.86 ; 214.95,26.91 214.95,29.82 211.49,33.28 211.49,37.59 ; 191.13,141.21 191.13,144.12 187.67,147.58 187.67,151.89
Net-(Q10-G): length 80.8
  Bottom w0.2: 156.96,62.46 155.69,61.19 103.29,61.19 98.03,55.94 98.03,51.29 99.05,50.27 99.05,48.24 97.39,46.58 94.38,46.58 93.83,47.13 91.84,47.13 90.3,45.59 90.3,44.83
Net-(Q11-D): length 73.2
  Bottom w0.25: 234,26.91 234.68,27.6 234.68,29.14 230.54,33.28 230.54,37.59 ; 206.72,113.79 206.72,109.48 210.18,106.02 210.18,103.11 ; 210.18,141.21 210.18,144.12 206.72,147.58 206.72,151.89 ; 210.18,84.06 210.18,86.97 206.72,90.43 206.72,94.74 ; 218.63,18.54 218.63,14.23 222.09,10.77 222.09,7.86 ; 206.72,132.84 206.72,128.53 210.18,125.07 210.18,122.16
Net-(Q11-G): length 124.3
  Top w0.2: v1(158.74,58.4) 158.74,44.43 159.75,43.41 163.82,43.41 v1(164.07,43.16)
  Bottom w0.2: v1(164.07,43.16) 164.07,42.77 164.58,42.26 185.78,42.26 186.93,43.41 ; v1(158.74,58.4) 157.14,59.99 103.8,59.99 99.23,55.43 99.23,51.79 100.25,50.77 100.25,47.74 97.89,45.38 93.88,45.38 93.33,45.93 92.34,45.93 91.9,45.5 91.9,44.83
Net-(Q12-D): length 48.5
  Bottom w0.25: 225.77,113.79 225.77,109.48 229.23,106.02 229.23,103.11 ; 225.77,94.74 225.77,90.43 229.23,86.97 229.23,84.06 ; 229.23,122.16 229.23,125.07 225.77,128.53 225.77,132.84 ; 229.23,141.21 229.23,144.12 225.77,147.58 225.77,151.89
Net-(Q12-G): length 137.4
  Top w0.2: v1(209.03,45.45) v1(203.19,39.6) ; v1(103.52,44.67) v1(103.52,38.08) ; v1(195.57,37.32) 195.57,38.59 v1(196.33,39.35)
  Bottom w0.2: 93.35,44.18 101.08,44.18 101.57,44.67 v1(103.52,44.67) ; v1(196.33,39.35) 202.93,39.35 v1(203.19,39.6) ; 209.03,46.72 v1(209.03,45.45) ; v1(103.52,38.08) 107.12,38.08 110.31,34.89 117.44,34.89 120.13,37.57 126.73,37.57 129.67,34.63 135.03,34.63 138.07,37.68 145.62,37.68 148.41,34.89 167.54,34.89 170.59,37.94 185.24,37.94 188.29,34.89 193.14,34.89 v1(195.57,37.32)
Net-(Q13-D): length 60.6
  Top w0.25: v1(246.62,105.64) 245.61,106.66 245.61,113.01 244.82,113.79
  Bottom w0.25: 262.57,45.96 262.57,48.87 259.11,52.33 259.11,56.64 ; 244.82,151.89 244.82,147.58 248.28,144.12 248.28,141.21 ; 248.28,84.06 248.28,86.97 244.82,90.43 244.82,94.74 ; v1(246.62,105.64) 248.28,103.98 248.28,103.11 ; 248.28,122.16 248.28,125.07 244.82,128.53 244.82,132.84
Net-(Q13-G): length 146.8
  Top w0.2: v1(160.01,58.4) v1(160.01,44.43)
  Bottom w0.2: 223.25,62.46 222.13,61.34 162.95,61.34 v1(160.01,58.4) ; 93.35,42.98 99.79,42.98 100.51,42.26 157.84,42.26 v1(160.01,44.43)
Net-(Q14-D): length 84.8
  Top w0.25: 263.87,113.79 264.66,113.01 264.66,106.66 v1(265.93,105.39)
  Bottom w0.25: 263.87,94.74 263.87,90.43 267.33,86.97 267.33,84.06 ; 278.16,56.64 278.16,52.33 281.62,48.87 281.62,45.96 ; 276.86,65.01 276.86,67.92 273.4,71.38 273.4,75.69 ; 263.87,151.89 263.87,147.58 267.33,144.12 267.33,141.21 ; 287.69,37.59 287.69,33.28 291.15,29.82 291.15,26.91 ; 267.33,122.16 267.33,125.07 263.87,128.53 263.87,132.84 ; 267.33,103.11 267.33,103.98 v1(265.93,105.39)
Net-(Q14-G): length 252.7
  Top w0.2: v1(397.75,43.16) 398.77,43.16 402.51,46.91 402.51,60.62 397.58,65.56 397.58,73.72 411.47,87.61 411.47,93.45 408.42,96.5 408.42,113.52 v1(408.93,114.03)
  Bottom w0.2: v1(397.75,43.16) 398.77,43.16 400.3,44.7 400.3,45.45 400.8,45.94 401.99,45.94 402.9,46.85 402.9,47.84 ; v1(408.93,114.03) 408.93,115.04 405.66,118.31 253.7,118.31 250.69,115.3
Net-(Q15-D): length 72.7
  Bottom w0.25: 282.92,151.89 282.92,147.58 286.38,144.12 286.38,141.21 ; 282.92,113.79 282.92,109.48 286.38,106.02 286.38,103.11 ; 292.45,75.69 292.45,71.38 295.91,67.92 295.91,65.01 ; 286.38,122.16 286.38,125.07 282.92,128.53 282.92,132.84 ; 297.21,56.64 297.21,52.33 300.67,48.87 300.67,45.96 ; 306.74,37.59 306.74,33.28 310.2,29.82 310.2,26.91
Net-(Q15-G): length 222.2
  Top w0.2: v1(405.88,114.79) 405.88,97.34 410.27,92.96 410.27,88.11 396.38,74.22 396.38,65.06 401.31,60.13 401.31,48.22 398.54,45.45 v1(398.51,45.45)
  Bottom w0.2: v1(405.88,114.79) 405.88,114.85 403.61,117.11 271.8,117.11 269.99,115.3 ; v1(398.51,45.45) 398.61,45.45 400.3,47.14 401.5,47.14 401.7,47.34 401.7,47.84
Net-(Q16-D): length 75
  Bottom w0.25: 195.8,71.56 195.33,72.03 195.33,73.64 ; 301.97,132.84 301.97,128.53 305.43,125.07 305.43,122.16 ; 319.72,45.96 319.72,48.87 316.26,52.33 316.26,56.64 ; 305.43,103.11 305.43,106.02 301.97,109.48 301.97,113.79 ; 305.43,141.21 305.43,144.12 301.97,147.58 301.97,151.89 ; 329.25,26.91 329.25,29.82 325.79,33.28 325.79,37.59 ; 314.96,65.01 314.96,67.92 311.5,71.38 311.5,75.69
Net-(Q16-G): length 180.8
  Top w0.2: v1(397.75,47.73) 398.74,47.73 400.11,49.11 400.11,59.63 395.18,64.56 395.18,74.72 407.91,87.45 v1(407.91,91.67)
  Bottom w0.2: v1(397.75,47.73) 398.77,47.73 399.92,48.89 400.65,48.89 ; v1(407.91,91.67) 407.91,93.74 402.39,99.26 291.55,99.26 288.79,96.5
Net-(Q17-D): length 75
  Bottom w0.25: 348.3,26.91 348.3,29.82 344.84,33.28 344.84,37.59 ; 324.48,122.16 324.48,125.07 321.02,128.53 321.02,132.84 ; 214.38,73.64 214.38,72.03 214.85,71.56 ; 324.48,141.21 324.48,144.12 321.02,147.58 321.02,151.89 ; 335.31,56.64 335.31,52.33 338.77,48.87 338.77,45.96 ; 324.48,84.06 324.48,86.97 321.02,90.43 321.02,94.74 ; 321.02,113.79 321.02,109.48 324.48,106.02 324.48,103.11
Net-(Q17-G): length 152.9
  Top w0.2: v1(404.86,92.44) 404.86,86.1 393.98,75.21 393.98,64.07 398.91,59.13 398.91,50.49 v1(398.51,50.09)
  Bottom w0.2: v1(404.86,92.44) 404.86,95.09 401.89,98.06 309.65,98.06 307.84,96.25 ; v1(398.51,50.09) 400.65,50.09
Net-(Q18-D): length 87.1
  Bottom w0.25: 363.89,37.59 363.89,33.28 367.35,29.82 367.35,26.91 ; 354.36,56.64 354.36,52.26 357.82,48.8 357.82,45.96 ; 343.53,141.21 343.53,144.12 340.07,147.58 340.07,151.89 ; 340.07,132.84 340.07,128.53 343.53,125.07 343.53,122.16 ; 362.58,7.86 362.58,10.77 359.12,14.23 359.12,18.54 ; 233.9,71.56 233.43,72.03 233.43,73.64 ; 343.53,84.06 343.53,86.97 340.07,90.43 340.07,94.74 ; 343.53,103.11 343.53,106.02 340.07,109.48 340.07,113.79
Net-(Q18-G): length 69.8
  Bottom w0.2: 400.65,51.69 399.33,51.69 396.58,54.44 394.29,54.44 393.69,53.83 391.37,53.83 387.04,58.16 378.89,58.16 377.86,59.19 342.74,59.19 339.55,62.39 339.55,64.79 338.57,65.77
Net-(Q19-D): length 87
  Bottom w0.25: 359.12,132.84 359.12,128.53 362.58,125.07 362.58,122.16 ; 200.14,54.59 200.14,52.93 200.56,52.51 ; 378.17,18.54 378.17,14.23 381.63,10.77 381.63,7.86 ; 386.4,26.91 386.4,29.82 382.94,33.28 382.94,37.59 ; 359.12,151.89 359.12,147.58 362.58,144.12 362.58,141.21 ; 362.58,103.11 362.58,106.02 359.12,109.48 359.12,113.79 ; 362.58,84.06 362.58,86.97 359.12,90.43 359.12,94.74 ; 376.87,45.96 376.87,48.87 373.41,52.33 373.41,56.64
Net-(Q19-G): length 52
  Bottom w0.2: 357.62,66.02 359.36,64.28 359.36,62.64 361.61,60.39 378.35,60.39 379.39,59.36 397.81,59.36 398.73,58.44 398.73,53.98 399.82,52.89 400.65,52.89
Net-(Q20-D): length 62.8
  Bottom w0.25: 378.17,132.84 378.17,128.53 381.63,125.07 381.63,122.16 ; 400.68,7.86 400.68,10.77 397.22,14.23 397.22,18.54 ; 381.63,103.11 381.63,106.02 378.17,109.48 378.17,113.79 ; 378.17,94.74 378.17,90.43 381.63,86.97 381.63,84.06 ; 381.63,141.21 381.63,144.12 378.17,147.58 378.17,151.89 ; 219.61,52.51 219.19,52.93 219.19,54.59
Net-(Q20-G): length 32.3
  Bottom w0.2: 400.65,54.09 400.65,59.82 399.91,60.56 380.01,60.56 378.45,62.12 378.45,63.73 377.18,65
Net-(Q21-D): length 50.7
  Bottom w0.25: 397.22,151.89 397.22,147.58 400.68,144.12 400.68,141.21 ; 400.68,103.11 400.68,106.02 397.22,109.48 397.22,113.79 ; 400.68,84.06 400.68,86.97 397.22,90.43 397.22,94.74 ; 419.73,7.86 419.73,10.77 416.27,14.23 416.27,18.54 ; 238.24,54.59 238.24,52.93 238.66,52.51
Net-(Q21-G): length 14.8
  Bottom w0.2: 395.21,64.75 395.72,64.75 395.97,64.5 395.97,63.76 397.74,61.99 400.48,61.99 402.1,60.37 402.1,54.74
Net-(Q22-D): length 26.4
  Bottom w0.25: 178.82,35.54 178.82,33.77 179.13,33.46 ; 419.73,122.16 419.73,125.07 416.27,128.53 416.27,132.84 ; 416.27,151.89 416.27,147.58 419.73,144.12 419.73,141.21
Net-(Q22-G): length 17.7
  Bottom w0.2: 403.3,54.74 403.3,60.86 400.98,63.19 398.24,63.19 397.24,64.19 397.24,66.53 398.51,67.8
Net-(Q23-D): length 99.1
  Bottom w0.25: 425.8,94.74 425.8,90.43 429.26,86.97 429.26,84.06 ; 426.88,45.96 426.88,48.87 423.42,52.33 423.42,56.64 ; 429.26,103.11 429.26,106.02 425.8,109.48 425.8,113.79 ; 438.78,141.21 438.78,144.12 435.32,147.58 435.32,151.89 ; 435.32,37.59 435.32,33.28 438.78,29.82 438.78,26.91 ; 435.32,132.84 435.32,128.53 438.78,125.07 438.78,122.16 ; 288.29,16.49 288.29,14.79 288.67,14.41 ; 438.78,7.86 438.78,10.77 435.32,14.23 435.32,18.54 ; 430.56,75.69 430.56,71.38 434.02,67.92 434.02,65.01
Net-(Q23-G): length 24.8
  Bottom w0.2: 404.5,54.74 404.5,61.12 407.37,63.99 410.96,63.99 412.74,65.77 412.74,69.07 416.04,72.37 416.29,72.37
Net-(Q24-D): length 96.9
  Bottom w0.25: 457.83,45.96 457.83,48.87 454.37,52.33 454.37,56.64 ; 457.83,103.11 457.83,106.02 454.37,109.48 454.37,113.79 ; 454.37,18.54 454.37,14.23 457.83,10.77 457.83,7.86 ; 454.37,75.69 454.37,71.38 457.83,67.92 457.83,65.01 ; 457.83,122.16 457.83,125.07 454.37,128.53 454.37,132.84 ; 457.83,141.21 457.83,144.12 454.37,147.58 454.37,151.89 ; 457.83,26.91 457.83,29.82 454.37,33.28 454.37,37.59 ; 454.37,94.74 454.37,90.43 457.83,86.97 457.83,84.06
Net-(Q24-G): length 19.6
  Bottom w0.2: 416.29,67.8 415.53,67.8 414.77,67.04 414.77,65.04 410.96,61.23 407.84,61.23 406.1,59.49 406.1,54.74
Net-(Q27-C): length 46.6
  Bottom w0.2: 41.39,42.65 43.15,40.89 80.92,40.89 82.82,38.98 86.45,38.98
Net-(Q28-C): length 43.8
  Top w0.2: v1(78.47,42.65) 77.2,43.92 77.2,52.56 v1(76.44,53.32)
  Bottom w0.2: 86.45,40.18 83.32,40.18 80.85,42.65 v1(78.47,42.65) ; 62.22,56.88 64.51,59.16 77.46,59.16 78.47,58.15 78.47,55.35 v1(76.44,53.32)
Net-(Q29-C): length 43.8
  Bottom w0.2: 86.45,41.78 83.66,41.78 78.22,47.22 78.22,50.39 79.74,51.91 79.74,58.57 77.92,60.39 64.93,60.39 61.46,63.87 61.46,64.75
Net-(Q30-C): length 4.9
  Bottom w0.2: 83.05,45.45 83.05,44.69 84.75,42.98 86.45,42.98
Net-(Q31-C): length 32.4
  Top w0.2: v1(87.56,49) 87.56,50.46 89.73,52.64 91.76,52.64 94.92,55.8 94.92,57.95 93.97,58.91 v1(93.97,59.16)
  Bottom w0.2: v1(87.56,49) 87.56,48.5 86.6,47.55 86.6,44.33 86.45,44.18 ; v1(93.97,59.16) 94.48,59.67 95.49,59.67 100.83,65 100.83,65.77 102.09,67.04 102.6,67.04
Net-(Q32-C): length 143.5
  Bottom w0.2: 118.61,138.41 117.31,137.11 83.23,137.11 79.01,132.89 79.01,79.96 84.32,74.66 84.32,71.86 78.47,66.02 78.47,61.54 80.94,59.07 80.94,54.91 85.08,50.78 90.16,50.78 90.41,50.53 90.41,49.66 87.9,47.15 87.9,44.83
Net-(Q33-C): length 162.8
  Bottom w0.2: 139.18,134.1 137.37,135.91 83.73,135.91 80.21,132.39 80.21,80.46 85.52,75.15 85.52,71.37 79.67,65.52 79.67,62.04 82.14,59.57 82.14,55.41 85.57,51.98 90.65,51.98 91.61,51.02 91.61,49.16 91.06,48.61 ; 91.06,48.61 91.44,48.99 ; 91.06,48.61 89.1,46.65 89.1,44.83

## Copper pours and planes (outline as drawn; the poured copper is in the pictures)
+5V on Bottom: 268.54,12.49 268.54,19.51 267.36,20.68 266.25,20.69 266.24,12.49
GND on Bottom: 264.24,12.48 266.24,12.49 266.18,22.08 264.15,22.08 264.09,12.48
(no net) on Top, Bottom: -12.2,362.69 457.7,362.69 457.7,202.67 -12.2,202.67

## Text on the board
B.Silkscreen: INT | BOT / PROX | WP
F.Silkscreen: SCL | SDA | GND | 3V3 | 5V | WP | TOP / PROX
